# Altium PCB LightLink_V3.PcbDoc (part 2 of 4) (continued)
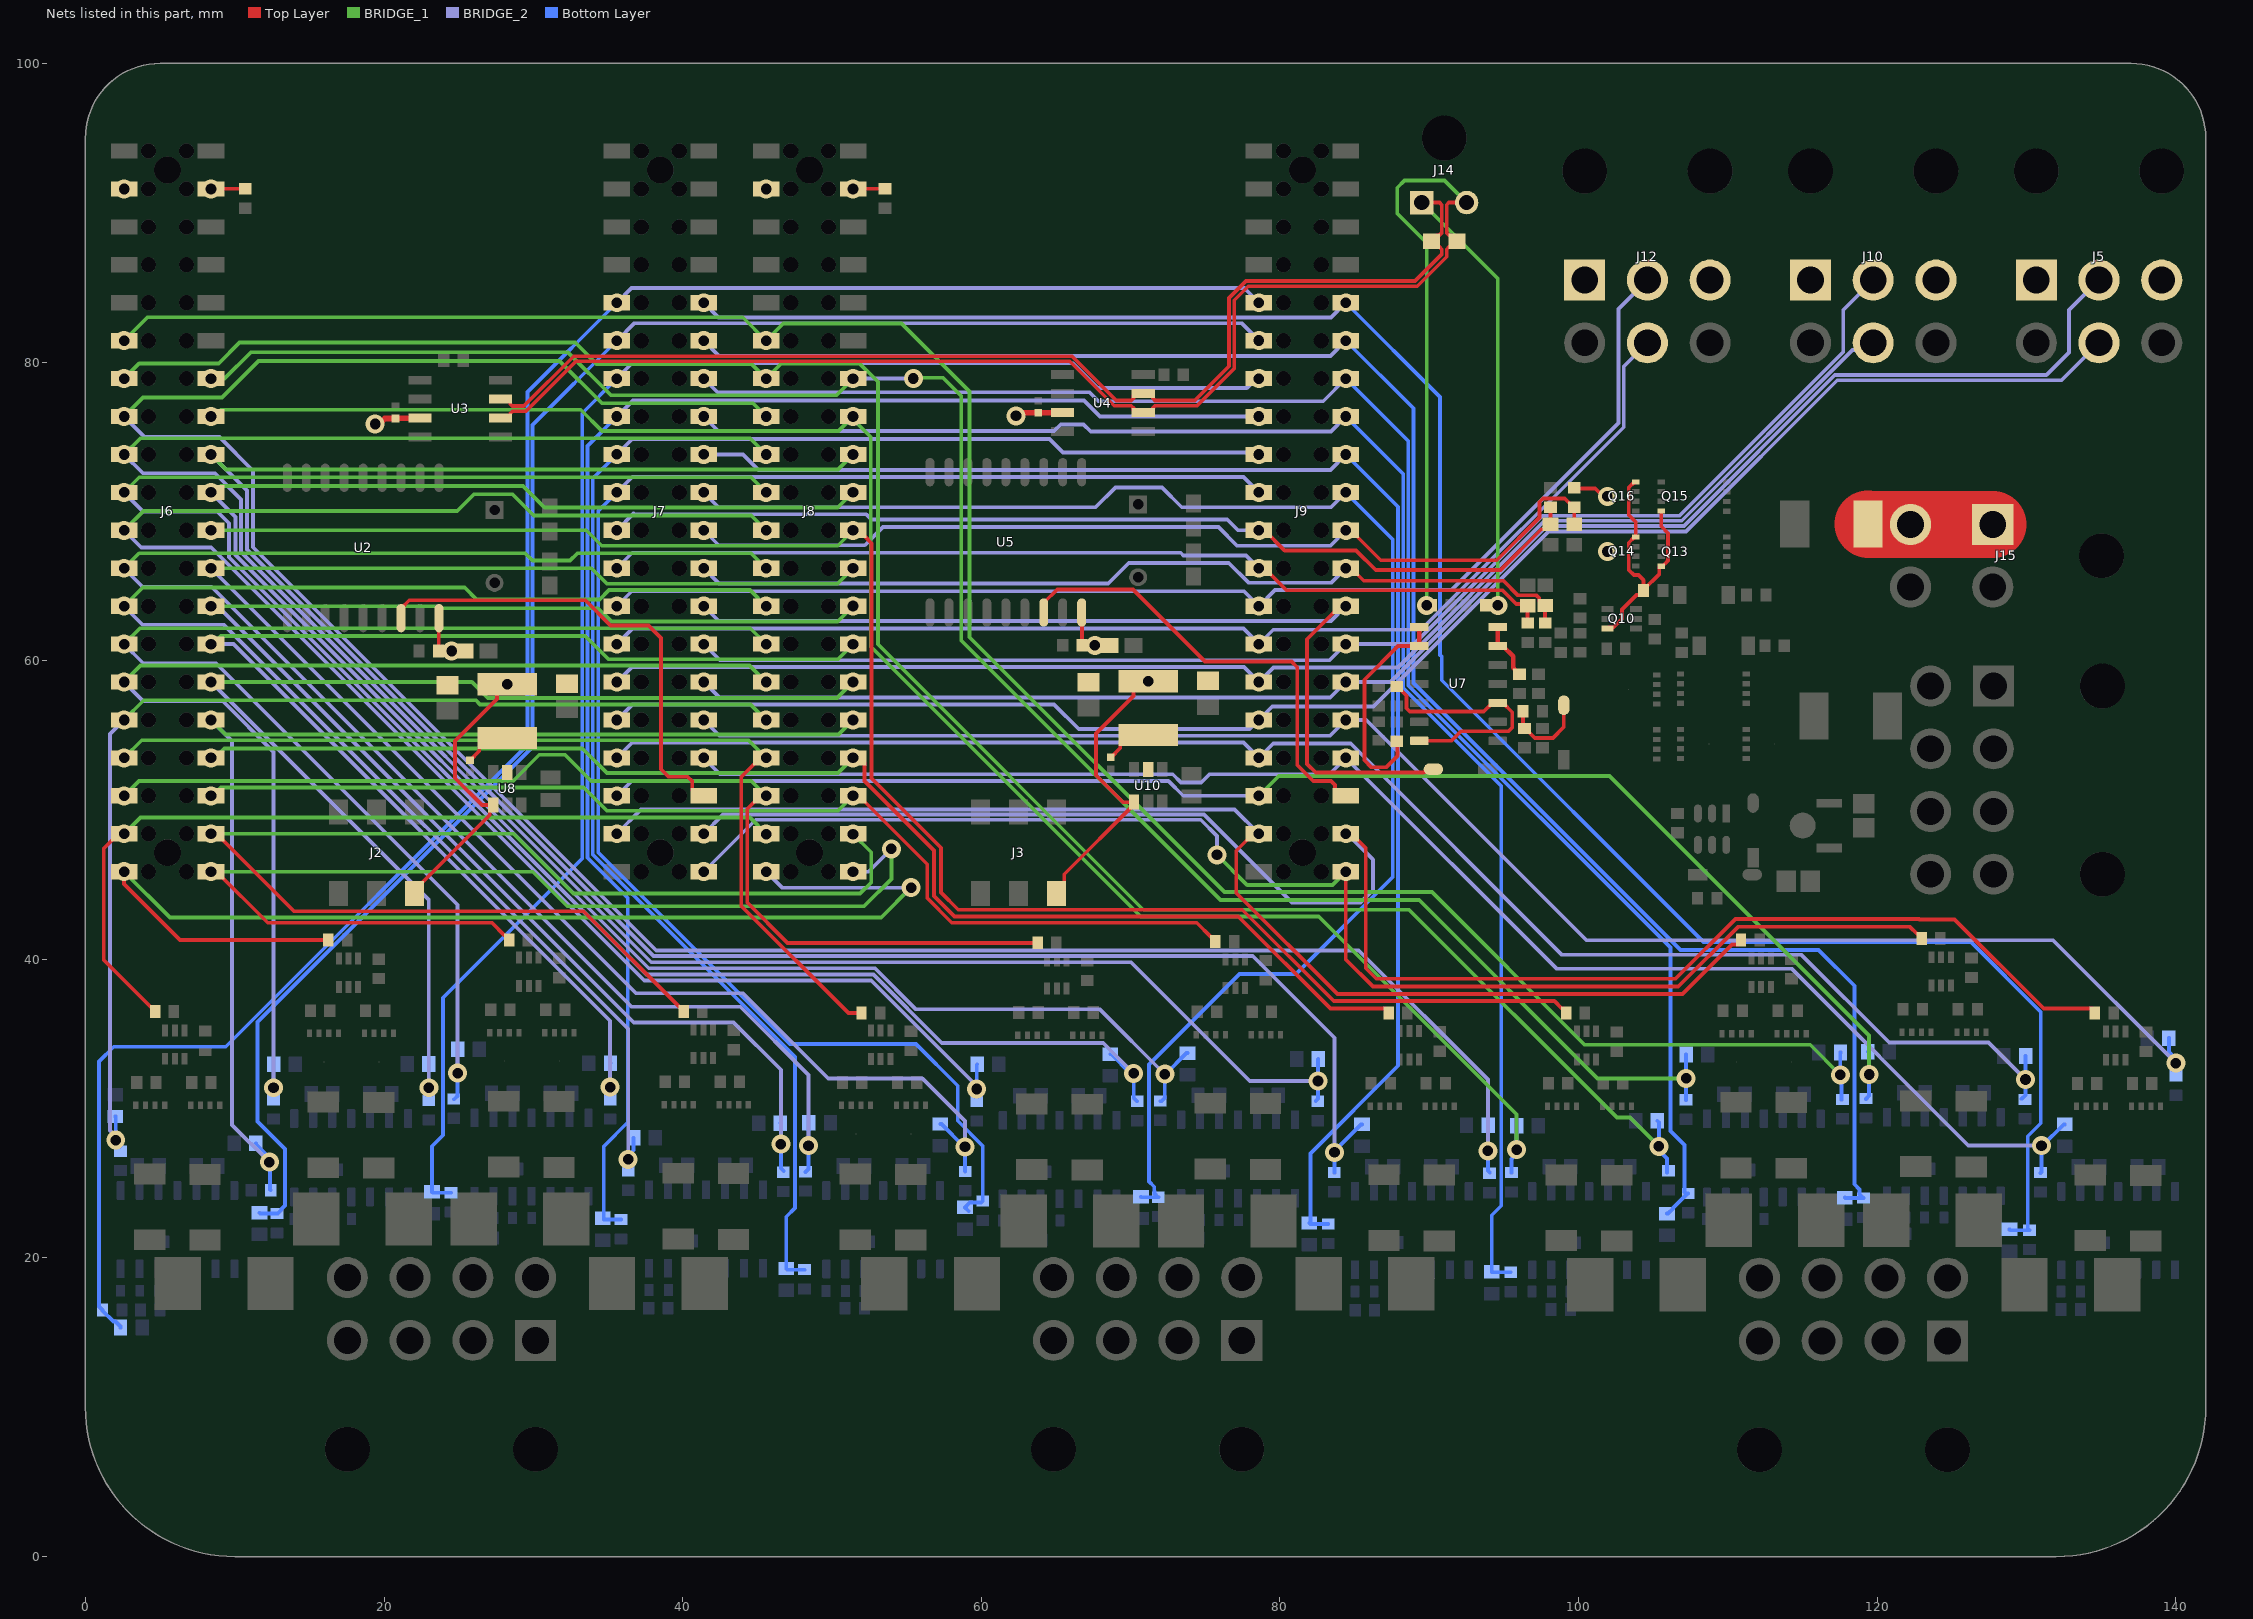
[diagram p6: the nets of this part, all layers, seen from the top]
## Part data (continued)
U3 U4: library part CMP-0186-00138-3, "High-Speed CAN Transceiver, /  1 Mb/s, 4.5 to 5.5 V, 8-Pin SOIC (SN), Industrial Temperature, RoHS, Tube", Manufacturer=Microchip, ComponentLink1Description="Manufacturer URL", ComponentLink1URL=http://www.microchip.com/, ComponentLink2Description=Datasheet, ComponentLink2URL=http://ww1.microchip.com/downloads/en/DeviceDoc/21667f.pdf, ComponentLink3Description="Package Specification", ComponentLink3URL=http://www.microchip.com/stellent/groups/techpub_sg/documents/packagingspec/en012702.pdf, DatasheetVersion="Rev. F, 07/2010", Mounting Technology="Surface Mount", PackageDescription="8-Pin Small Outline Integrated Circuit, Body 4.9 x 3.9 mm, Pitch 1.27 mm", PackageReference=SN8, RoHSCompliant=true
U6: library part CMP-12756-000009-1, "IC REG LINEAR 5V 150MA SOT89", Ambient Temperature Range High=+85°C, Ambient Temperature Range Low=-40°C, Dropout Voltage=1000mV, Manufacturer="Diodes Inc.", Max Junction Temp=+125°C, Max Supply Voltage=40V, Min Supply Voltage=3.3V, Nominal Supply Current=2.5-25uA, Output Current=150mA, Output Voltage=5V, Package=SOT89, Temperature="-40°C to +125°C", Automotive=No, Category=IC, ComponentLink2Description=Datasheet, ComponentLink2URL=https://www.diodes.com/assets/Datasheets/AP7381.pdf, Device Class L1="Integrated Circuits (ICs)", Device Class L2="Power Management ICs", Device Class L3="Voltage Regulators - Linear", Digikey Description="IC REG LINEAR 5V 150MA SOT89", Footprint Url=https://www.diodes.com/assets/Package-Files/SOT89.pdf, Height=1.6mm, Lead Free=Yes, Manufacturer Part Number=AP7381-50Y-13, Number of Outputs=1, Octopart=https://octopart.com/ap7381-50y-13-diodes+inc.-87775116, Output Type=Fixed, RoHS=TRUE, Temperature Range High=+125°C, Temperature Range Low=-40°C
U8 U10: library part CMP-12757-000001-1, "IC REG BUCK 5V 2A TSOT26", Ambient Temperature Range High=+85°C, Ambient Temperature Range Low=-40°C, Manufacturer="Diodes Inc.", Max Junction Temp=+160°C, Max Supply Voltage=32V, Min Supply Voltage=3.8V, Nominal Supply Current=22uA, Output Current=2A, Output Voltage=5V, Package=TSOT26, Switching Frequency=1100kHz, Temperature="-40°C to +85°C", Automotive=No, Category=IC, ComponentLink2Description=Datasheet, ComponentLink2URL=https://www.diodes.com/assets/Datasheets/AP63200-AP63201-AP63203-AP63205.pdf, Device Class L1="Integrated Circuits (ICs)", Device Class L2="Power Management ICs", Device Class L3="Voltage Regulators - Switching", Digikey Description="IC REG BUCK 5V 2A TSOT26", Footprint Url=https://www.diodes.com/assets/Package-Files/TSOT26.pdf, Height=1mm, Lead Free=Yes, Manufacturer Part Number=AP63205WU-7, Max Duty Cycle=100%, Number of Outputs=1, Octopart=https://octopart.com/ap63205wu-7-diodes+inc.-98099551, Output Type=Fixed, RoHS=TRUE, Standoff Height=0.01mm, Switching Topology=Buck, Temperature Range High=+85°C, Temperature Range Low=-40°C
U9: library part CMP-04896-000098-1, "40V, RAIL-TO-RAIL INPUT, PUSH-PU"
Y1 Y2: library part CMP-1749-00003-1, "Resistance Weld Thru-Hole Crystal, 16 MHz, -20 to 70 degC, 2-Pin THD, RoHS, Bulk", Case\Package=Axial, Max Operating Temperature="155 degC", Min Operating Temperature="-55 degC", Package Quantity=200, Power Rating="250 mW", Resistance="221 kohm", Tolerance=1%, Voltage Rating="250 V", ComponentLink1Description="Manufacturer URL", ComponentLink1URL=http://www.foxonline.com/, ComponentLink2Description=Datasheet, ComponentLink2URL=http://www.foxonline.com/pdfs/hc49slf.pdf, DatasheetVersion=Mar-15, Length="0.248 inch", Mount="Through Hole", PackageDescription="2-Pin Through Hole Device, Body 11.35 x 4.65 mm", PackageReference=FOXSLF160-20, Packaging=Bulk, RoHSCompliant=true

## Via types
v1: diameter 1.27, hole 0.711, Top Layer to Bottom Layer, 305 vias
v2: diameter 4, hole 3.2, Top Layer to Bottom Layer, 4 vias

## Nets (pads, with @x,y where several pads share a name; then routed paths per layer and width w, separated by ;. In a path a pad name is that pad's centre, name@x,y a point inside that pad or via, vN(x,y) a via of type N, cw(c..) or ccw(c..) an arc to the next point about the centre after c; other vN are vias at no path point)
5V_1: C1.2 C2.1 C13.1 C14.1 J2.01 J6.3 J6.4 L1.2 R12.2 R13.1 U2.18 U3.3 U8.1 | length 28.6
  Top Layer w0.254: v1(8.41,91.59) 8.42,91.6 R12.2@10.7,91.6 ; J2.01@22.04,44.42 22.04,44.625 27.077,49.662 27.077,50.103 U8.1@27.3,50.326 26.55,50.326 24.75,52.125 24.75,54.625 27.568,57.443 27.568,57.802 28.191,58.425 v1(28.25,58.425) ; U2.18@23.68,62.85 23.665,62.835 23.665,60.665 R13.1@23.65,60.65 C1.2@25.4,60.65
  Top Layer w0.381: v1(19.4,75.85) 19.675,75.85 20.05,76.225 C2.1@20.775,76.225 20.782,76.232 22.393,76.232 U3.3@22.4,76.24
  other v1: 24.525,60.65 2.59,91.59
5V_2: C3.1 C8.2 C18.1 C19.1 J3.01 J8.3 J8.4 L2.2 R11.2 R18.1 U4.3 U5.18 U10.1 | length 28.8
  Top Layer w0.254: v1(51.41,91.59) 51.42,91.6 R11.2@53.55,91.6 ; J3.01@65.04,44.42 65.548,44.928 65.548,45.698 70.225,50.375 U10.1@70.225,50.525 69.475,50.525 67.675,52.325 67.675,55.125 70.193,57.643 70.193,58.002 70.816,58.625 v1(71.175,58.625) ; U5.18@66.72,63.225 66.735,63.21 R18.1@66.735,61.14 ; R18.1@66.75,61.025 C8.2@68.598,61.025
  Top Layer w0.381: v1(62.325,76.4) 62.566,76.4 62.773,76.607 65.432,76.607 U4.3@65.44,76.615
  other v1: 67.6,61.025 45.59,91.59
12V_IN: F2.1 J15.1 J15.3 | length 8.4
  Top Layer w4.5: F2.1@119.38,69.15 119.409,69.12 J15.3@122.223,69.12 J15.1@127.735,69.12
12V_MOSFET: Q10.3 Q13.4 Q14.4 Q15.4 Q16.4 R40.2 | length 18.6
  Top Layer w0.254: Q10.3@101.95,62.15 102.023,62.223 102.323,62.223 102.9,62.8 102.9,63.423 103.879,64.402 104.102,64.402 104.35,64.65 R40.2@104.35,64.7 R40.2@104.35,64.75 ; Q16.4@103.83,71.975 103.782,71.927 103.702,71.927 103.364,71.589 103.364,69.761 103.83,69.295 Q14.4@103.83,68.288 103.782,68.24 103.702,68.24 103.364,67.902 103.364,66.073 103.704,65.733 104.01,65.733 104.35,65.392 R40.2@104.35,64.75 ; Q15.4@105.53,70.025 105.53,69.005 105.996,68.539 105.996,66.711 105.838,66.553 105.833,66.553 105.605,66.325 Q13.4@105.53,66.325 105.455,66.325 105.407,66.277 105.407,65.807 R40.2@104.35,64.75
+12: J5.1 J5.3 J10.1 J10.3 J12.1 J12.3 Q14.5-6-7-8 Q16.5-6-7-8 R42.1 | length 2.4
  Top Layer w0.254: R42.1@99.714,71.525 101.12,71.525 101.645,71 v1(101.92,71)
  other v1: 101.92,67.313
A0: J7.10 J9.10 R53_M1.1 R54_M1.2 | length 137.5
  BRIDGE_2 w0.254: v1(41.41,83.97) 42.405,82.975 83.415,82.975 v1(84.41,83.97)
  Bottom Layer w0.254: v1(84.41,83.97) 90.716,77.664 90.716,60.389 90.83,60.274 90.83,58.687 108.367,41.15 126.275,41.15 130.95,36.475 130.95,29.025 130.075,28.15 130.075,21.984 R53_M1.1@130.2,21.859 130.075,21.859 128.904,21.859 R54_M1.2@128.854,21.909
A1: J7.9 J9.9 R53_M12.1 R54_M12.2 | length 131.9
  BRIDGE_2 w0.254: v1(35.59,83.97) 36.57,84.95 77.61,84.95 v1(78.59,83.97)
  Bottom Layer w0.254: R54_M12.2@2.348,15.342 2.348,15.417 2.025,15.74 1.874,15.74 1.153,16.46 R53_M12.1@1.153,16.51 0.914,16.749 0.914,33.164 1.9,34.15 9.4,34.15 29.607,54.357 29.607,77.987 v1(35.59,83.97)
A2: J7.12 J9.12 R53_M2.1 R54_M2.2 | length 122.3
  BRIDGE_2 w0.254: v1(41.41,81.43) 42.44,80.4 83.38,80.4 v1(84.41,81.43)
  Bottom Layer w0.254: v1(84.41,81.43) 88.938,76.902 88.938,58.509 106.822,40.625 116.075,40.625 118.475,38.225 118.475,24.933 118.817,24.591 118.817,24.266 R53_M2.1@119.065,24.018 ; R54_M2.2@117.831,24.042 117.855,24.018 R53_M2.1@119.075,24.018
A3: J7.11 J9.11 R53_M11.1 R54_M11.2 | length 114.6
  BRIDGE_2 w0.254: v1(35.59,81.43) 36.764,82.604 77.425,82.604 v1(78.59,81.439)
  Bottom Layer w0.254: R54_M11.2@11.659,23.026 11.708,22.977 12.877,22.977 13.125,23.225 13.125,23.275 13.36,23.51 13.36,27.305 11.532,29.134 11.532,35.797 29.95,54.215 29.95,75.79 v1(35.59,81.43)
A4: J7.14 J9.14 R53_M3.1 R54_M3.2 | length 110.2
  BRIDGE_2 w0.254: v1(41.41,78.89) 42.325,77.975 67.25,77.975 67.85,77.375 82.895,77.375 v1(84.41,78.89)
  Bottom Layer w0.254: v1(84.41,78.89) 88.595,74.705 88.595,58.344 106.147,40.792 106.147,28.499 107.087,27.558 107.087,24.398 R53_M3.1@107.137,24.348 ; R54_M3.2@105.918,22.975 105.993,22.975 106.316,23.298 106.316,23.348 107.227,24.259 107.29,24.323 R53_M3.1@107.34,24.323
A5: J7.13 J9.13 R53_M10.1 R54_M10.2 | length 105.3
  BRIDGE_2 w0.254: v1(35.59,78.89) 36.625,79.925 66.125,79.925 67.789,78.261 77.782,78.261 78.411,78.89 v1(78.59,78.89)
  Bottom Layer w0.254: R53_M10.1@24.486,24.374 23.265,24.374 R54_M10.2@23.216,24.423 23.216,27.483 23.952,28.219 23.952,37.427 33.275,46.75 33.275,76.575 v1(35.59,78.89)
A6: J7.16 J9.16 R53_M4.1 R54_M4.2 | length 107.3
  BRIDGE_2 w0.254: v1(41.41,76.35) 42.385,75.375 64.875,75.375 65.325,75.825 66.85,75.825 67.325,75.35 83.41,75.35 v1(84.41,76.35)
  Bottom Layer w0.254: v1(84.41,76.35) 88.252,72.508 88.252,58.165 94.818,51.599 94.818,23.495 94.183,22.86 R54_M4.2@94.183,19.064 94.207,19.04 R53_M4.1@95.453,19.04
A7: J7.15 J9.15 R53_M9.1 R54_M9.2 | length 101.4
  BRIDGE_2 w0.254: v1(35.59,76.35) 36.665,77.425 66.875,77.425 67.95,76.35 v1(78.59,76.35)
  Bottom Layer w0.254: v1(35.59,76.35) 33.625,74.385 33.625,46.8 36.325,44.1 36.325,29.086 34.721,27.482 34.721,22.575 R53_M9.1@35.865,22.575
A8: J7.18 J9.18 R53_M5.1 R54_M5.2 | length 100.5
  BRIDGE_2 w0.254: v1(41.41,73.814) 44.036,73.814 45.075,72.775 83.375,72.775 v1(84.41,73.81)
  Bottom Layer w0.254: R54_M5.2@81.966,22.34 82.041,22.34 82.041,27.003 87.909,32.872 87.909,70.311 v1(84.41,73.81) ; R54_M5.2@82.041,22.265 R53_M5.1@83.236,22.265
A9: J7.17 J9.17 R53_M8.1 R54_M8.2 | length 106.2
  BRIDGE_2 w0.254: v1(35.59,73.814) 36.626,74.85 64.575,74.85 65.475,73.95 78.45,73.95 v1(78.59,73.81)
  Bottom Layer w0.254: v1(35.59,73.814) 33.975,72.199 33.975,47.025 47.525,33.475 47.525,23.344 46.939,22.758 R54_M8.2@46.939,19.292 47.014,19.217 R53_M8.1@48.158,19.217
A10: J7.20 J9.20 R53_M6.1 R54_M6.2 | length 103.9
  BRIDGE_2 w0.254: v1(41.41,71.27) 42.405,70.275 67.65,70.275 68.975,71.6 72.1,71.6 73.425,70.275 83.415,70.275 v1(84.41,71.27)
  Bottom Layer w0.254: R54_M6.2@70.688,24.093 70.712,24.069 R53_M6.1@71.857,24.069 71.838,24.069 71.59,24.317 71.59,24.453 71.577,24.466 71.577,24.765 71.225,25.117 71.225,32.95 77.3,39.025 81.075,39.025 87.554,45.504 87.554,68.126 v1(84.41,71.27)
A11: J7.19 J9.19 R53_M7.1 R54_M7.2 | length 109.2
  BRIDGE_2 w0.254: v1(35.59,71.27) 36.62,72.3 77.56,72.3 v1(78.59,71.27)
  Bottom Layer w0.254: v1(35.59,71.27) 34.35,70.03 34.35,47.15 47.175,34.325 55.625,34.325 58.42,31.53 58.42,29.185 60.096,27.508 R53_M7.1@60.096,23.815 59.986,23.705 59.226,23.705 R54_M7.2@58.903,23.382 R54_M7.2@59.158,23.126
A12: J7.22 J9.22 R42.2 R45.2 | length 64.8
  Top Layer w0.254: v1(84.41,68.73) J9.22@84.79,68.73 ; J9.22@84.742,68.73 J9.22@84.79,68.73 ; R45.2@99.714,69.125 R42.2@99.714,70.275 99.664,70.275 99.074,70.866 97.6,70.866 97.374,70.639 97.374,69.586 94.513,66.726 86.747,66.726 85.173,68.299 85.173,68.347 J9.22@84.79,68.73
  BRIDGE_2 w0.254: v1(41.41,68.73) 42.415,67.725 52.2,67.725 53.425,68.95 75.875,68.95 77.125,67.7 83.38,67.7 v1(84.41,68.73)
A13: J7.21 J9.21 R41.2 R44.2 | length 67
  Top Layer w0.254: v1(78.59,68.732) 78.968,68.732 80.314,67.386 85.09,67.386 86.411,66.065 94.767,66.065 97.504,68.802 97.791,68.802 R44.2@98.114,69.125 R41.2@98.114,70.275
  BRIDGE_2 w0.254: v1(35.59,68.73) 36.71,69.85 36.76,69.8 52.3,69.8 52.65,69.45 76.475,69.45 77.193,68.732 v1(78.59,68.732)
A14: J7.24 J9.24 R23.2 R25.2 | length 60.6
  Top Layer w0.254: v1(84.41,66.186) 84.794,66.186 85.173,65.807 85.173,65.788 85.607,65.354 94.971,65.354 95.949,64.376 97.181,64.376 97.361,64.196 97.361,64.018 97.684,63.695 R25.2@97.759,63.695 R23.2@97.759,62.52
  BRIDGE_2 w0.254: v1(41.41,66.19) 42.425,65.175 68.5,65.175 69.875,66.55 76.575,66.55 77.9,65.225 83.445,65.225 84.406,66.186 v1(84.41,66.186)
A15: J7.23 J9.23 R24.2 R26.2 | length 64.1
  Top Layer w0.254: v1(78.59,66.19) 78.97,66.19 80.441,64.719 94.894,64.719 95.827,63.786 96.49,63.786 R26.2@96.584,63.692 R24.2@96.584,62.517
  BRIDGE_2 w0.254: v1(35.59,66.19) 36.625,67.225 73.35,67.225 73.525,67.05 77.73,67.05 v1(78.59,66.19)
BST_TAP_1: C15.1 L1.1 U8.5 | length 3.3
  Top Layer w0.254: C15.1@25.75,53.325 26.377,53.952 26.377,54.202 27,54.825 L1.1@28.25,54.825
BST_TAP_2: C20.1 L2.1 U10.5 | length 3.3
  Top Layer w0.254: C20.1@68.675,53.525 69.302,54.152 69.302,54.402 69.925,55.025 L2.1@71.175,55.025
CAN_H_BUF: R50.1 U7.13 U7.14 | length 4
  Top Layer w0.3: U7.14@94.58,62.255 U7.13@94.58,60.985 94.93,60.985 95.617,60.298 95.617,59.52 95.767,59.37 95.767,59.32 95.992,59.095 R50.1@96.042,59.095
CAN_L_BUF: R49.1 U7.1 U7.2 | length 15
  Top Layer w0.254: R49.1@87.87,54.599 87.87,53.626 87.101,52.857 86.136,52.857 85.657,53.336 85.657,58.728 87.914,60.985 U7.2@89.33,60.985
  Top Layer w0.3: U7.2@89.33,60.985 U7.1@89.33,62.255
CAN_N: J14.2 R19.1 R29.1 U3.6 U4.6 | length 113.4
  Top Layer w0.254: U3.6@27.8,76.24 28.275,76.24 28.448,76.413 28.448,76.555 28.597,76.704 29.504,76.704 32.848,80.048 65.927,80.048 68.897,77.079 70.043,77.079 70.192,76.93 70.192,76.788 70.365,76.615 U4.6@70.84,76.615 71.315,76.615 71.488,76.788 71.488,76.93 71.637,77.079 74.439,77.079 76.937,79.576 76.937,84.138 77.876,85.077 89.193,85.077 91.171,87.056 91.171,87.553 91.32,87.702 91.452,87.702 R19.1@91.85,88.1 91.452,88.498 91.32,88.498 91.171,88.647 91.171,89.561 91.171,90.531 91.32,90.68 J14.2@92.5,90.68
  BRIDGE_1 w0.254: v1(89.827,63.703) 89.827,87.973 87.859,89.941 87.859,91.669 88.341,92.151 91.029,92.151 J14.2@92.5,90.68
CAN_P: J14.1 R19.2 R28.1 U3.7 U4.7 | length 107.7
  Top Layer w0.254: U3.7@27.8,77.51 28.275,77.51 28.448,77.337 28.448,77.195 28.597,77.046 29.362,77.046 32.706,80.391 66.069,80.391 69.039,77.421 70.043,77.421 70.192,77.57 70.192,77.712 70.365,77.885 U4.7@70.84,77.885 71.315,77.885 71.488,77.712 71.488,77.57 71.637,77.421 74.297,77.421 76.594,79.718 76.594,84.28 77.734,85.42 89.051,85.42 90.829,87.198 90.829,87.553 90.68,87.702 90.548,87.702 R19.2@90.15,88.1 90.548,88.498 90.68,88.498 90.829,88.647 90.829,89.419 90.829,90.531 90.68,90.68 J14.1@89.5,90.68
  BRIDGE_1 w0.254: J14.1@89.5,90.68 94.59,85.59 v1(94.59,63.703)
COMP_AMP_OUT: D7.2 R16.1 R17.2 | length 5.9
  Top Layer w0.254: R17.2@96.281,56.616 96.281,55.554 R16.1@96.372,55.463 96.422,55.463 97.059,54.826 98.285,54.826 99.009,55.55 D7.2@99.009,57.019
CS_1: J7.36 U2.16 | length 32.1
  Top Layer w0.254: U2.16@21.14,62.85 21.14,63.5 21.69,64.05 33.485,64.05 35.171,62.364 37.711,62.364 38.55,61.525 38.55,52.725 39.05,52.225 40.326,52.225 40.647,51.904 40.647,51.333 41.03,50.95 J7.36@41.41,50.95
CS_2: J9.36 U5.16 | length 31
  Top Layer w0.254: U5.16@64.18,63.225 64.18,63.875 65.08,64.775 70.156,64.775 74.981,59.95 80.77,59.95 81.16,59.56 81.16,53.015 82.225,51.95 83.41,51.95 83.695,51.665 83.695,51.333 84.078,50.95 J9.36@84.41,50.95
D3: J6.11 J8.11 R51_M3.1 R52_M3.2 | length 150.4
  BRIDGE_1 w0.254: v1(2.59,81.43) 4.16,83 44.02,83 v1(45.59,81.43) 46.735,82.575 54.65,82.575 59.2,78.025 59.2,61.575 76.275,44.5 90.175,44.5 100.4,34.275 115.509,34.275 v1(117.526,32.258)
  Bottom Layer w0.254: R52_M3.2@117.54,33.757 117.526,33.743 v1(117.526,32.258) 117.611,32.172 R51_M3.1@117.611,30.622
D4: J6.14 J8.14 R9_M3.1 R10_M3.2 | length 133.3
  BRIDGE_1 w0.254: v1(8.41,78.89) 9.315,78.89 11.075,80.65 32.325,80.65 35.2,77.775 50.295,77.775 v1(51.41,78.89) ; v1(55.45,78.9) 55.5,78.95 57.425,78.95 58.65,77.725 58.65,61.35 76.025,43.975 89.325,43.975 101.275,32.025 v1(107.2,32.025)
  BRIDGE_2 w0.254: v1(51.41,78.89) 51.415,78.895 55.445,78.895 v1(55.45,78.9)
  Bottom Layer w0.254: R9_M3.1@107.197,30.564 107.2,30.567 v1(107.2,32.025) R10_M3.2@107.2,33.63
D5: J6.13 J8.13 R51_M4.1 R52_M4.2 | length 140.9
  BRIDGE_1 w0.254: v1(2.59,78.89) 3.6,79.9 8.925,79.9 10.325,81.3 32.8,81.3 34.23,79.87 44.61,79.87 v1(45.59,78.89) 46.6,79.9 51.85,79.9 53.075,78.675 53.075,61.1 70.85,43.325 88.65,43.325 102.575,29.4 103.45,29.4 v1(105.375,27.475)
  Bottom Layer w0.254: R52_M4.2@105.271,29.185 105.375,29.081 v1(105.375,27.475) 105.375,27.2 105.914,26.661 R51_M4.1@105.914,25.715
D6: J6.16 J8.16 R9_M4.1 R10_M4.2 | length 122
  BRIDGE_1 w0.254: v1(8.41,76.35) 8.617,76.35 9.067,76.8 33.175,76.8 34.6,75.375 50.435,75.375 v1(51.41,76.35) 51.41,76.165 52.6,74.975 52.6,60.95 70.675,42.875 82.6,42.875 95.85,29.625 v1(95.85,27.25)
  Bottom Layer w0.254: R9_M4.1@95.5,25.7 95.5,26.625 95.85,26.975 v1(95.85,27.25) 95.85,28.85 R10_M4.2@95.846,28.854
D7: J6.15 J8.15 R51_M5.1 R52_M5.2 | length 166.8
  BRIDGE_1 w0.254: v1(2.59,76.35) 3.865,77.625 9.15,77.625 11.6,80.075 31.75,80.075 34.586,77.239 44.701,77.239 v1(45.59,76.35)
  BRIDGE_2 w0.254: v1(2.59,76.35) 3.965,74.975 8.975,74.975 11.225,72.725 11.225,67.6 38.225,40.6 85.275,40.6 93.925,31.95 v1(93.925,27.175)
  Bottom Layer w0.254: R52_M5.2@93.943,28.88 93.925,28.862 v1(93.925,27.175) 93.925,25.841 R51_M5.1@94.045,25.721
D8: J6.18 J8.18 R9_M5.1 R10_M5.2 | length 149.3
  BRIDGE_1 w0.254: v1(8.41,73.81) 9.42,72.8 50.4,72.8 v1(51.41,73.81)
  BRIDGE_2 w0.254: v1(8.41,73.81) 10.825,71.395 10.825,67.45 38.05,40.225 78.175,40.225 83.65,34.75 v1(83.65,27.075)
  Bottom Layer w0.254: R9_M5.1@83.631,25.706 83.65,25.724 v1(83.65,27.075) 83.65,27.173 85.421,28.944 R10_M5.2@85.496,28.944
D9: J6.17 J8.17 R51_M6.1 R52_M6.2 | length 146.2
  BRIDGE_1 w0.254: v1(2.59,73.81) 3.68,74.9 44.5,74.9 v1(45.59,73.81)
  BRIDGE_2 w0.254: v1(2.59,73.81) 3.85,72.55 8.675,72.55 10.425,70.8 10.425,67.275 37.9,39.8 70.025,39.8 77.975,31.85 v1(82.55,31.85)
  Bottom Layer w0.254: R51_M6.1@82.4,30.508 82.55,30.658 v1(82.55,31.85) 82.55,33.311 R52_M6.2@82.564,33.325
D10: J6.20 J8.20 R9_M6.1 R10_M6.2 | length 129.8
  BRIDGE_1 w0.254: v1(8.41,71.27) 8.637,71.27 9.067,71.7 29.3,71.7 30.75,70.25 50.39,70.25 v1(51.41,71.27)
  BRIDGE_2 w0.254: v1(8.41,71.27) 10.05,69.63 10.05,67.075 37.725,39.4 52.875,39.4 55.625,36.65 67.947,36.65 v1(72.288,32.309)
  Bottom Layer w0.254: R9_M6.1@71.986,30.493 72.061,30.493 72.284,30.716 72.284,32.304 v1(72.288,32.309) 72.327,32.309 73.737,33.72 R10_M6.2@73.812,33.72
D11: J6.19 J8.19 R51_M7.1 R52_M7.2 | length 133
  BRIDGE_1 w0.254: v1(2.59,71.27) 3.609,72.289 44.571,72.289 v1(45.59,71.27)
  BRIDGE_2 w0.254: v1(2.59,71.27) 3.86,70 8.825,70 9.625,69.2 9.625,66.925 37.575,38.975 52.775,38.975 57.35,34.4 68.165,34.4 v1(70.206,32.36)
  Bottom Layer w0.254: R52_M7.2@68.631,33.643 68.706,33.643 69.99,32.36 v1(70.206,32.36) 70.206,30.724 R51_M7.1@70.434,30.495
D12: J6.22 J8.22 R38_M4.1 | length 116
  Top Layer w0.254: J8.22@51.41,68.73 v1(51.41,68.732) 51.788,68.732 52.173,68.347 52.65,67.87 52.65,52.125 57.3,47.475 57.3,44.475 58.45,43.325 77.475,43.325 83.6,37.2 98.375,37.2 98.877,36.698 98.952,36.698 99.175,36.475 R38_M4.1@99.175,36.4
  BRIDGE_1 w0.254: v1(8.41,68.73) 33.545,68.73 34.575,67.7 50.38,67.7 51.41,68.73 v1(51.41,68.732)
D13: J6.21 J8.21 R9_M7.1 R10_M7.2 | length 119.4
  BRIDGE_1 w0.254: v1(2.59,68.73) 3.885,70.025 24.9,70.025 26.025,71.15 28.6,71.15 29.725,70.025 30.026,69.724 44.596,69.724 v1(45.59,68.73)
  BRIDGE_2 w0.254: v1(2.59,68.73) 3.745,67.575 8.425,67.575 37.425,38.575 52.625,38.575 59.69,31.51 v1(59.69,31.318)
  Bottom Layer w0.254: v1(59.69,31.318) 59.69,32.932 R10_M7.2@59.727,32.969
D14: J6.24 J8.24 R51_M8.1 R52_M8.2 | length 115.4
  BRIDGE_1 w0.254: v1(8.41,66.19) 33.885,66.19 34.925,65.15 50.37,65.15 v1(51.41,66.19)
  BRIDGE_2 w0.254: v1(8.41,66.19) 36.875,37.725 44.05,37.725 49.75,32.025 56.05,32.025 58.909,29.166 v1(58.909,27.438)
  Bottom Layer w0.254: R52_M8.2@57.252,28.97 57.327,28.97 58.858,27.438 v1(58.909,27.438) 58.909,25.815 R51_M8.1@58.928,25.796
D15: J6.23 J8.23 R9_M8.1 R10_M8.2 | length 112.3
  BRIDGE_1 w0.254: v1(2.59,66.19) 3.6,67.2 29.45,67.2 29.95,66.7 32.45,66.7 32.95,67.2 44.58,67.2 v1(45.59,66.19)
  BRIDGE_2 w0.254: v1(2.59,66.19) 3.83,64.95 8.45,64.95 36.575,36.825 43.85,36.825 48.425,32.25 v1(48.425,27.525)
  Bottom Layer w0.254: R9_M8.1@48.224,25.751 48.425,25.952 v1(48.425,27.525) 48.425,29.033 R10_M8.2@48.449,29.058
D16: J6.26 J8.26 R51_M9.1 R52_M9.2 | length 103.2
  BRIDGE_1 w0.254: v1(8.41,63.65) 23.45,63.65 23.589,63.511 34.339,63.511 35.225,62.625 50.385,62.625 51.41,63.65 v1(51.41,63.664)
  BRIDGE_2 w0.254: v1(8.41,63.65) 8.604,63.456 9.044,63.456 36.725,35.775 43.4,35.775 46.575,32.6 v1(46.575,27.625)
  Bottom Layer w0.254: R52_M9.2@46.547,29.032 46.575,29.004 v1(46.575,27.625) 46.575,26.012 R51_M9.1@46.768,25.819
D17: J6.25 J8.25 R9_M9.1 R10_M9.2 | length 100.4
  BRIDGE_1 w0.254: v1(2.59,63.65) 3.84,64.9 25.4,64.9 26.2,64.1 34.45,64.1 35.075,64.725 44.515,64.725 v1(45.59,63.65)
  BRIDGE_2 w0.254: v1(2.59,63.65) 3.84,62.4 9.275,62.4 36.35,35.325 v1(36.35,26.6)
  Bottom Layer w0.254: v1(36.35,26.6) 36.35,26.854 36.715,27.218 R10_M9.2@36.715,28.042
D18: J6.28 J8.28 R51_M10.1 R52_M10.2 | length 87.5
  BRIDGE_1 w0.254: v1(8.41,61.11) 8.527,61.11 9.067,61.65 33.475,61.65 35.025,60.1 50.4,60.1 v1(51.41,61.11)
  BRIDGE_2 w0.254: v1(8.41,61.11) 9.915,61.11 35.142,35.883 v1(35.142,31.438)
  Bottom Layer w0.254: v1(35.142,31.438) 35.142,33.02 R52_M10.2@35.167,33.045
D19: J6.27 J8.27 R9_M10.1 R10_M10.2 | length 88.2
  BRIDGE_1 w0.254: v1(2.59,61.11) 3.655,62.175 44.525,62.175 v1(45.59,61.11)
  BRIDGE_2 w0.254: v1(2.59,61.11) 3.875,59.825 8.75,59.825 24.925,43.65 v1(24.925,32.375)
  Bottom Layer w0.254: R9_M10.1@24.67,30.63 24.702,30.63 24.925,30.853 v1(24.925,32.375) 24.925,33.981 R10_M10.2@24.929,33.985
D20: J6.30 J8.30 R51_M11.1 R52_M11.2 | length 78.7
  BRIDGE_1 w0.254: v1(8.41,58.57) 25.88,58.57 26.95,57.5 50.34,57.5 51.41,58.57 v1(51.41,58.574)
  BRIDGE_2 w0.254: v1(8.41,58.57) 23,43.98 v1(23,31.4)
  Bottom Layer w0.254: v1(23,31.4) R52_M11.2@23.001,32.995
D21: J6.29 J8.29 R9_M11.1 R10_M11.2 | length 79.9
  BRIDGE_1 w0.254: v1(2.59,58.57) 3.695,59.675 44.485,59.675 v1(45.59,58.57)
  BRIDGE_2 w0.254: v1(2.59,58.57) 3.86,57.3 9.195,57.3 12.6,53.895 v1(12.6,31.4)
  Bottom Layer w0.254: v1(12.6,31.4) 12.6,32.959 R10_M11.2@12.61,32.969
D22: J6.32 J8.32 R51_M12.1 R52_M12.2 | length 78.6
  BRIDGE_1 w0.254: v1(8.41,56.03) 9.39,55.05 50.43,55.05 v1(51.41,56.03)
  BRIDGE_2 w0.254: v1(8.41,56.03) 9.825,54.615 9.825,28.91 v1(12.319,26.416)
  Bottom Layer w0.254: R52_M12.2@11.418,27.686 11.418,27.611 12.125,26.905 12.125,26.61 v1(12.319,26.416) 12.365,26.37 12.365,24.582 R51_M12.1@12.41,24.536
D23: J6.31 J8.31 R9_M12.1 R10_M12.2 | length 74.4
  BRIDGE_1 w0.254: v1(2.59,56.03) 3.91,57.35 26.15,57.35 26.425,57.075 44.545,57.075 v1(45.59,56.03)
  BRIDGE_2 w0.254: v1(2.032,27.889) 2.032,28.164 1.655,28.541 1.655,55.095 v1(2.59,56.03)
  Bottom Layer w0.254: R10_M12.2@2.007,29.476 2.032,29.45 v1(2.032,27.889)
D24: J6.34 J8.34 R38_M5.1 | length 89.8
  Top Layer w0.254: v1(51.41,53.49) 51.79,53.49 52.173,53.107 52.173,51.942 56.825,47.29 56.825,44.25 58.2,42.875 77.209,42.875 83.386,36.698 87.052,36.698 87.275,36.475 R38_M5.1@87.275,36.4
  BRIDGE_1 w0.254: v1(8.41,53.49) 8.685,53.49 9.32,54.125 33.275,54.125 34.925,52.475 50.395,52.475 v1(51.41,53.49)
D25: J6.33 J8.33 R38_M8.1 | length 65.8
  Top Layer w0.254: v1(45.59,53.49) 45.21,53.49 44.827,53.107 43.925,52.205 43.925,43.575 51.1,36.4 R38_M8.1@51.975,36.4
  BRIDGE_1 w0.254: v1(2.59,53.49) 3.775,54.675 44.405,54.675 v1(45.59,53.49)
D26: J6.36 J8.36 R38_M6.1 | length 74
  Top Layer w0.254: v1(51.41,50.95) 51.79,50.95 56.375,46.365 56.375,44.1 58.025,42.45 74.425,42.45 75.377,41.498 75.452,41.498 75.675,41.275 R38_M6.1@75.675,41.2
  BRIDGE_1 w0.254: v1(8.41,50.95) 8.517,50.95 9.067,51.5 33.375,51.5 34.925,49.95 50.41,49.95 v1(51.41,50.95)
D27: J6.35 J8.35 R38_M7.1 | length 73.7
  Top Layer w0.254: v1(45.59,50.95) 45.21,50.95 44.325,50.065 44.325,43.8 47.025,41.1 R38_M7.1@63.775,41.1
  BRIDGE_1 w0.254: v1(2.59,50.95) 3.59,51.95 28.65,51.95 30.4,53.7 32.125,53.7 33.875,51.95 44.59,51.95 v1(45.59,50.95)
D28: J6.38 J8.38 R38_M9.1 | length 86.6
  Top Layer w0.254: v1(8.41,48.41) 8.79,48.41 13.975,43.225 33.35,43.225 39.777,36.798 39.852,36.798 40.075,36.575 R38_M9.1@40.075,36.5
  BRIDGE_1 w0.254: v1(8.41,48.41) 28.662,48.41 32.672,44.4 51.875,44.4 52.625,45.15 52.625,47.171 v1(51.41,48.386)
D29: J6.37 J8.37 R38_M12.1 | length 58.1
  Top Layer w0.254: v1(2.59,48.41) 2.21,48.41 1.225,47.425 1.225,39.95 4.377,36.798 4.452,36.798 4.675,36.575 R38_M12.1@4.675,36.5
  BRIDGE_1 w0.254: v1(2.59,48.41) 3.68,49.5 44.5,49.5 45.59,48.41 v1(45.59,48.386)
D30: J6.40 J8.40 R38_M10.1 | length 74.4
  Top Layer w0.254: v1(8.41,45.87) 8.79,45.87 12.21,42.45 27.225,42.45 28.077,41.598 28.152,41.598 28.375,41.375 R38_M10.1@28.375,41.3
  BRIDGE_1 w0.254: v1(8.41,45.87) 29.955,45.87 32.275,43.55 52.15,43.55 53.975,45.375 v1(53.975,47.4)
  BRIDGE_2 w0.254: v1(51.41,45.87) 52.445,45.87 v1(53.975,47.4)
D31: J6.39 J8.39 R38_M11.1 | length 81.4
  Top Layer w0.254: J6.39@2.97,45.87 v1(2.59,45.87) 2.59,45.035 6.325,41.3 R38_M11.1@16.275,41.3
  BRIDGE_1 w0.254: v1(2.59,45.87) 5.66,42.8 53.3,42.8 v1(55.3,44.8)
  BRIDGE_2 w0.254: v1(45.59,45.87) 46.66,44.8 v1(55.3,44.8)
D32: D8.2 J7.26 J9.26 | length 64.5
  Top Layer w0.254: v1(84.41,63.65) 84.03,63.65 81.813,61.433 81.813,53.086 82.398,52.502 89.636,52.502 89.865,52.73 D8.2@90.275,52.73
  BRIDGE_2 w0.254: v1(41.41,63.65) 42.41,62.65 83.41,62.65 v1(84.41,63.65)
D33: J7.25 J9.25 J12.2 | length 83.4
  BRIDGE_2 w0.254: v1(35.59,63.65) 36.59,64.65 77.59,64.65 v1(78.59,63.65) 79.665,64.725 91.487,64.725 102.675,75.913 102.675,83.555 J12.2@104.608,85.488
D34: J7.28 J9.28 J10.2 | length 91
  BRIDGE_2 w0.254: v1(41.41,61.11) 42.495,60.025 83.325,60.025 v1(84.41,61.11) 88.976,61.11 97.577,69.711 106.766,69.711 117.721,80.666 117.721,83.479 J10.2@119.73,85.488
D35: J7.27 J9.27 J12.5 | length 80.6
  BRIDGE_2 w0.254: v1(35.59,61.11) 36.63,62.15 77.55,62.15 v1(78.59,61.11) 79.555,62.075 89.456,62.075 103.018,75.637 103.018,79.698 J12.5@104.608,81.288
D36: J5.2 J7.30 J9.30 | length 107.1
  BRIDGE_2 w0.254: v1(41.41,58.57) 42.455,57.525 83.365,57.525 v1(84.41,58.57) 87.406,58.57 97.861,69.025 107.05,69.025 117.15,79.125 131.325,79.125 132.843,80.643 132.843,83.479 J5.2@134.852,85.488
D37: J7.29 J9.29 J10.5 | length 94.4
  BRIDGE_2 w0.254: v1(35.59,58.57) 36.595,59.575 77.585,59.575 v1(78.59,58.57) 79.57,59.55 87.901,59.55 97.719,69.368 106.908,69.368 118.35,80.81 119.252,80.81 J10.5@119.73,81.288
D38: J7.32 J9.32 R51_M1.1 R52_M1.2 | length 110.8
  BRIDGE_2 w0.254: v1(41.41,56.03) 42.465,54.975 62.205,54.975 83.355,54.975 v1(84.41,56.03) 85.778,56.03 100.533,41.275 131.775,41.275 v1(140,33.05)
  Bottom Layer w0.254: R52_M1.2@139.536,34.722 139.536,33.789 140,33.325 v1(140,33.05)
D39: J5.5 J7.31 J9.31 | length 111.1
  BRIDGE_2 w0.254: v1(35.59,56.03) 36.635,57.075 64.875,57.075 66.525,55.425 77.969,55.425 78.574,56.03 v1(78.59,56.03) 79.485,56.925 86.262,56.925 97.987,68.65 107.2,68.65 117.325,78.775 132.339,78.775 J5.5@134.852,81.288
D40: J7.34 J9.34 R9_M1.1 R10_M1.2 | length 105.7
  BRIDGE_2 w0.254: v1(41.41,53.49) 42.5,52.4 72.825,52.4 73.375,51.85 74.725,51.85 75.275,52.4 83.32,52.4 v1(84.41,53.49) 98.525,39.375 114.25,39.375 126.1,27.525 v1(131,27.525)
  Bottom Layer w0.254: R9_M1.1@130.933,25.691 131,25.758 v1(131,27.525) 131.068,27.525 132.488,28.944 R10_M1.2@132.563,28.944
D41: J7.33 J9.33 R51_M2.1 R52_M2.2 | length 107.9
  BRIDGE_2 w0.254: v1(35.59,53.49) 36.625,54.525 77.555,54.525 v1(78.59,53.49) 79.55,54.45 84.742,54.45 98.892,40.3 114.925,40.3 120.8,34.425 127.45,34.425 v1(129.925,31.95)
  Bottom Layer w0.254: R51_M2.1@129.663,30.668 129.702,30.668 129.925,30.891 v1(129.925,31.95) 129.925,33.518 R52_M2.2@129.935,33.528
D43: J7.35 J9.35 R9_M2.1 R10_M2.2 | length 98.3
  BRIDGE_1 w0.254: v1(78.59,50.95) 79.915,52.275 102.075,52.275 119.456,34.894 v1(119.456,32.283)
  BRIDGE_2 w0.254: v1(35.59,50.95) 36.59,51.95 72.525,51.95 73.525,50.95 v1(78.59,50.95)
  Bottom Layer w0.254: R9_M2.1@119.249,30.653 119.456,30.86 119.456,33.717 R10_M2.2@119.366,33.807
D44: J7.38 J9.38 R38_M1.1 | length 115.8
  Top Layer w0.254: v1(84.41,48.41) 84.79,48.41 85.75,47.45 85.75,39.4 86.45,38.7 106.5,38.7 110.5,42.7 122.8,42.7 122.825,42.675 125.175,42.675 131.152,36.698 134.352,36.698 134.575,36.475 R38_M1.1@134.575,36.4
  BRIDGE_2 w0.254: v1(41.41,48.408) 42.695,49.693 74.907,49.693 80.8,43.8 85.4,43.8 86.225,44.625 86.225,46.675 v1@84.49,48.41
D45: J7.37 J9.37 R38_M3.1 | length 87.3
  Top Layer w0.254: v1(78.59,48.41) 78.21,48.41 77.075,47.275 77.075,44.45 83.85,37.675 106.95,37.675 110.277,41.002 110.652,41.002 110.875,41.225 R38_M3.1@110.875,41.3
  BRIDGE_2 w0.254: v1(35.59,48.41) 37.216,50.036 76.964,50.036 v1(78.59,48.41)
D46: J7.40 J9.40 R38_M2.1 | length 94.6
  Top Layer w0.254: v1(84.41,45.87) 84.41,39.99 86.225,38.175 106.67,38.175 110.67,42.175 122.2,42.175 122.677,41.698 122.752,41.698 122.975,41.475 R38_M2.1@122.975,41.4
  BRIDGE_1 w0.254: v1(75.786,47) 77.803,44.983 83.523,44.983 v1(84.41,45.87)
  BRIDGE_2 w0.254: v1(41.41,45.87) 44.89,49.35 74.7,49.35 75.786,48.264 v1(75.786,47)
DIFF_AMP_OUT: R27.2 U7.7 U7.10 | length 17
  Top Layer w0.254: R27.2@87.819,58.261 87.869,58.261 88.476,57.654 88.476,56.812 88.697,56.591 93.645,56.591 94.23,57.175 U7.10@94.58,57.175 94.93,57.175 95.559,56.546 95.559,55.524 95.305,55.27 92.13,55.27 91.496,54.635 U7.7@89.33,54.635